# Altium PCB LAY-94611_B.PcbDoc (part 11 of 16)
Units mil, origin at the board's own origin, x right, y up, seen from the top; angles counter-clockwise.
Board outline 4133.86 x 2559.05 mil, 10 copper layers (TOP, GND02, ART03, PWR04, PWR05, ART06, GND7, ART08, GND09, BOTTOM), stack 57.82 mil thick; 1104 components, 727 nets, 3774 pads, 1630 vias.
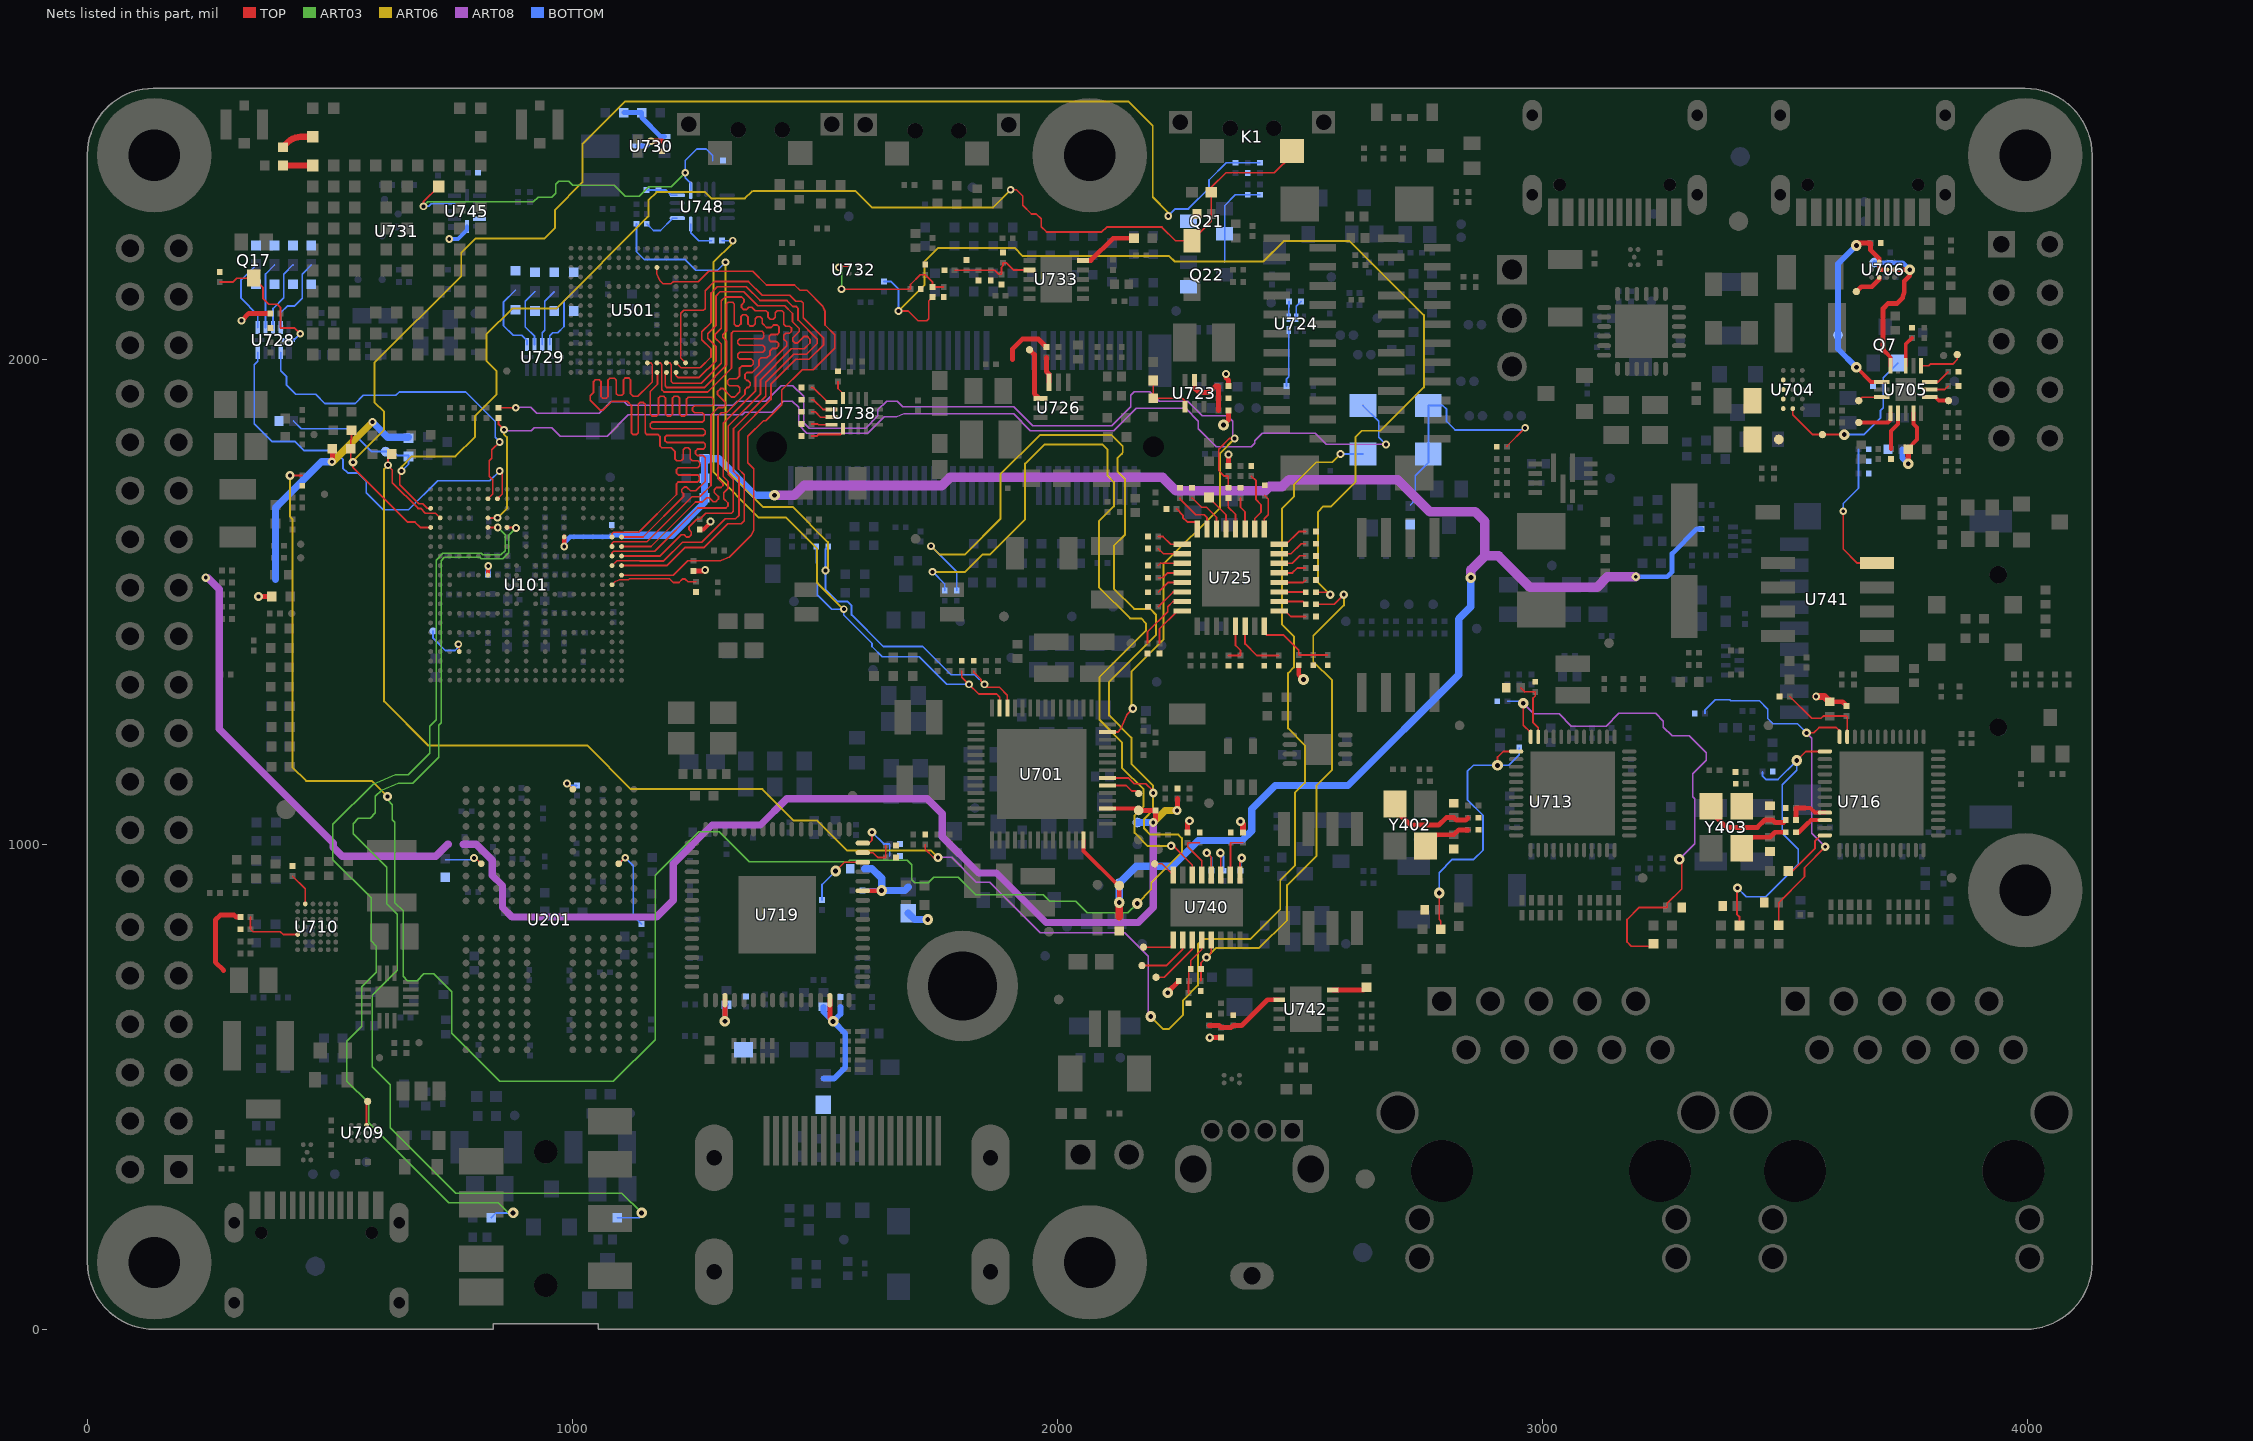
[diagram p19: the nets of this part, all layers, seen from the top]

## Via types
v1: diameter 16/16/0/0/0/0/16/0/16/16 (per signal layer), hole 8, TOP to BOTTOM, tented both sides, 177 vias
v2: diameter 22/22/0/0/0/0/22/0/22/22 (per signal layer), hole 10, TOP to BOTTOM, tented both sides, 156 vias
v3: diameter 16/0/16/0/0/0/0/0/0/16 (per signal layer), hole 8, TOP to BOTTOM, tented both sides, 137 vias
v4: diameter 16/0/0/0/0/16/0/0/0/16 (per signal layer), hole 8, TOP to BOTTOM, tented both sides, 94 vias
v5: diameter 16, hole 8, TOP to BOTTOM, tented both sides, 88 vias
v6: diameter 18/0/0/0/0/0/0/18/0/18 (per signal layer), hole 8, TOP to BOTTOM, tented both sides, 84 vias
v7: diameter 22, hole 10, TOP to BOTTOM, tented both sides, 83 vias
v8: diameter 18, hole 8.1, TOP to BOTTOM, tented both sides, 78 vias
v9: diameter 16/0/0/0/0/0/0/16/0/16 (per signal layer), hole 8, TOP to BOTTOM, tented both sides, 77 vias
v10: diameter 18/18/0/0/0/0/18/0/18/18 (per signal layer), hole 8, TOP to BOTTOM, tented both sides, 62 vias
v11: diameter 18/0/18/0/0/0/0/0/0/18 (per signal layer), hole 8, TOP to BOTTOM, tented both sides, 50 vias
v12: diameter 16/0/0/16/0/0/0/0/0/16 (per signal layer), hole 8, TOP to BOTTOM, tented both sides, 49 vias
v13: diameter 22/0/0/0/22/0/0/0/0/22 (per signal layer), hole 10, TOP to BOTTOM, tented both sides, 49 vias
v14: diameter 22/0/22/0/0/0/0/0/0/22 (per signal layer), hole 10, TOP to BOTTOM, tented both sides, 48 vias
v15: diameter 18, hole 8, TOP to BOTTOM, tented both sides, 47 vias
v16: diameter 16/0/0/0/16/0/0/0/0/16 (per signal layer), hole 8, TOP to BOTTOM, tented both sides, 40 vias
v17: diameter 22/0/0/22/0/0/0/0/0/22 (per signal layer), hole 10, TOP to BOTTOM, tented both sides, 40 vias
v18: diameter 22/0/0/0/0/0/0/22/0/22 (per signal layer), hole 10, TOP to BOTTOM, tented both sides, 31 vias
v19: diameter 22/0/0/0/0/22/0/0/0/22 (per signal layer), hole 10, TOP to BOTTOM, tented both sides, 30 vias
v20: diameter 18/0/0/0/0/18/0/0/0/18 (per signal layer), hole 8, TOP to BOTTOM, tented both sides, 27 vias
v21: diameter 16/16/16/0/0/0/0/0/0/16 (per signal layer), hole 8, TOP to BOTTOM, tented both sides, 24 vias
v22: diameter 16/0/16/0/0/16/0/0/0/16 (per signal layer), hole 8, TOP to BOTTOM, tented both sides, 14 vias
v23: diameter 22/22/0/22/0/0/22/0/22/22 (per signal layer), hole 10, TOP to BOTTOM, tented both sides, 14 vias
v24: diameter 16/16/16/0/0/0/16/0/16/16 (per signal layer), hole 8, TOP to BOTTOM, tented both sides, 11 vias
v25: diameter 18/0/0/0/0/18/0/18/0/18 (per signal layer), hole 8, TOP to BOTTOM, tented both sides, 11 vias
v26: diameter 18/0/0/18/0/0/0/0/0/18 (per signal layer), hole 8, TOP to BOTTOM, tented both sides, 11 vias
v27: diameter 18/0/0/0/18/0/0/0/0/18 (per signal layer), hole 8, TOP to BOTTOM, tented both sides, 10 vias
v28: diameter 16/0/16/0/0/0/0/16/0/16 (per signal layer), hole 8, TOP to BOTTOM, tented both sides, 8 vias
v29: diameter 16/16/0/16/0/0/16/0/16/16 (per signal layer), hole 8, TOP to BOTTOM, tented both sides, 8 vias
v30: diameter 18/18/0/18/0/0/18/0/18/18 (per signal layer), hole 8, TOP to BOTTOM, tented both sides, 6 vias
v31: diameter 22/0/0/0/22/22/0/0/0/22 (per signal layer), hole 10, TOP to BOTTOM, tented both sides, 6 vias
v32: diameter 16/0/16/16/0/0/0/0/0/16 (per signal layer), hole 8, TOP to BOTTOM, tented both sides, 5 vias
v33: diameter 18/18/0/18/18/0/18/0/18/18 (per signal layer), hole 8, TOP to BOTTOM, tented both sides, 5 vias
v34: diameter 16/0/0/0/0/16/0/16/0/16 (per signal layer), hole 8, TOP to BOTTOM, tented both sides, 4 vias
v35: diameter 22/0/22/22/0/0/0/0/0/22 (per signal layer), hole 10, TOP to BOTTOM, tented both sides, 4 vias
v36: diameter 16/0/16/16/0/16/0/0/0/16 (per signal layer), hole 8, TOP to BOTTOM, tented both sides, 3 vias
v37: diameter 22/22/0/0/22/0/22/0/22/22 (per signal layer), hole 10, TOP to BOTTOM, tented both sides, 3 vias
v38: diameter 22/0/0/22/22/22/0/0/0/22 (per signal layer), hole 10, TOP to BOTTOM, tented both sides, 3 vias
v39: diameter 22/0/22/0/0/22/0/0/0/22 (per signal layer), hole 10, TOP to BOTTOM, tented both sides, 3 vias
v40: diameter 22/0/22/0/0/0/0/22/0/22 (per signal layer), hole 10, TOP to BOTTOM, tented both sides, 3 vias
v41: diameter 16/0/16/0/16/0/0/0/0/16 (per signal layer), hole 8, TOP to BOTTOM, tented both sides, 3 vias
v42: diameter 22/22/0/22/22/0/22/0/22/22 (per signal layer), hole 10, TOP to BOTTOM, tented both sides, 2 vias
v43: diameter 18/0/18/0/0/0/0/18/0/18 (per signal layer), hole 8, TOP to BOTTOM, tented both sides, 2 vias
v44: diameter 22/0/0/22/0/22/0/0/0/22 (per signal layer), hole 10, TOP to BOTTOM, tented both sides, 2 vias
v45: diameter 22/0/0/0/0/22/0/22/0/22 (per signal layer), hole 10, TOP to BOTTOM, tented both sides, 2 vias
v46: diameter 22/0/22/0/22/0/0/0/0/22 (per signal layer), hole 10, TOP to BOTTOM, tented both sides, 2 vias
v47: diameter 22/0/0/22/22/0/0/0/0/22 (per signal layer), hole 10, TOP to BOTTOM, tented both sides, 2 vias
v48: diameter 16/0/0/16/0/16/0/0/0/16 (per signal layer), hole 8, TOP to BOTTOM, tented both sides, 1 vias
v49: diameter 18/0/18/0/0/18/0/0/0/18 (per signal layer), hole 8, TOP to BOTTOM, tented both sides, 1 vias
v50: diameter 18/18/0/0/18/0/18/0/18/18 (per signal layer), hole 8, TOP to BOTTOM, tented both sides, 1 vias
v51: diameter 16/16/0/16/16/0/16/0/16/16 (per signal layer), hole 8, TOP to BOTTOM, tented both sides, 1 vias
v52: diameter 18/0/18/0/18/0/0/0/0/18 (per signal layer), hole 8, TOP to BOTTOM, tented both sides, 1 vias
v53: diameter 18/0/0/0/18/18/0/0/0/18 (per signal layer), hole 8, TOP to BOTTOM, tented both sides, 1 vias
v54: diameter 22/0/22/0/22/22/0/22/0/22 (per signal layer), hole 10, TOP to BOTTOM, tented both sides, 1 vias
v55: diameter 22/0/0/0/22/22/0/22/0/22 (per signal layer), hole 10, TOP to BOTTOM, tented both sides, 1 vias
v56: diameter 16/16/16/0/0/0/16/0/0/16 (per signal layer), hole 8, TOP to BOTTOM, tented both sides, 1 vias
v57: diameter 22/0/0/22/0/0/0/22/0/22 (per signal layer), hole 10, TOP to BOTTOM, tented both sides, 1 vias
v58: diameter 16/0/0/0/16/16/0/0/0/16 (per signal layer), hole 8, TOP to BOTTOM, tented both sides, 1 vias
v59: diameter 16/0/0/16/16/0/0/0/0/16 (per signal layer), hole 8, TOP to BOTTOM, tented both sides, 1 vias

## Nets (pads, with @x,y where several pads share a name; then routed paths per layer and width w, separated by ;. In a path a pad name is that pad's centre, name@x,y a point inside that pad or via, vN(x,y) a via of type N, cw(c..) or ccw(c..) an arc to the next point about the centre after c; other vN are vias at no path point) (continued)
NetR2702_2: R2702.2 R2704.1 U716.45 | length 88.6
  TOP w8: 3542.35,1075 3552.8,1075 3562.17,1065.63 U716.45@3583.07,1065.63
  TOP w10: 3523.31,1050 3523.31,1075 3542.35,1075
NetR2703_2: R2703.2 U716.46 | length 70.1
  TOP w8: 3548.77,1044.47 3554.18,1049.88 U716.46@3583.07,1049.88
  TOP w10: 3523.31,1025 3529.3,1025 3548.77,1044.47
NetR2705_1: R2705.1 U716.48 | length 114.9
  TOP w3.62: R2705.1@3507.6,944.96 3515.76,944.96 3562.8,992 3562.8,1007.39 3573.8,1018.39 U716.48@3583.07,1018.39
NetR2707_2: R2707.2 R2709.1 Y403.4
NetR2725_1: R2725.1 R2996.1 U719.15 | length 76.4
  TOP w3.62: U719.15@1598.98,982.95 1619.86,982.95 1628.81,974 1629.29,974 1630.29,973 1646.29,973 1646.29,998
NetR2726_1: R2726.1 R2997.1 U719.16 | length 109.1
  TOP w3.62: U719.16@1598.98,1002.64 1611.8,1002.64 1617.8,1008.64 v15(1617.8,1025)
  BOTTOM w3.62: v15(1617.8,1025) 1641.8,1001 1654.29,1001 1654.29,976
NetR2734_1: R2734.1 R3039.2 R3041.2 U723.5 | length 186.8
  TOP w10: U723.5@2282.8,1957.56 2282.8,1941 2291.8,1932 2312.81,1932 2325.81,1945 2332.29,1945 2332.29,1920 2332.29,1895 ; v13(2342.8,1865) 2353.31,1875.51 R2734.1@2353.31,1895 ; v1(2347.8,1970) 2347.8,1962.2 2353.31,1956.69 R3041.2@2353.31,1945
NetR2735_2: R2735.2 R2736.1 U723.1 | length 116.6
  TOP w3.62: R2735.2@2197.84,1956.8 R2736.1@2197.84,1919.8 2258,1919.8 2263.11,1914.69 U723.1@2263.11,1902.44
NetR2738_1: R2738.1 U724.4 | length 33.9
  BOTTOM w3.62: U724.4@2477.21,2085.87 2477.21,2107.22 2477.8,2107.81 R2738.1@2477.8,2119.49
NetR2740_2: R2740.2 U724.3 | length 117.1
  BOTTOM w3.62: R2740.2@2472.8,1945.51 2472.8,1960 2477.21,1964.41 U724.3@2477.21,2060.75
NetR2745_1: R2745.1 U724.5 | length 37.7
  BOTTOM w3.62: U724.5@2492.96,2085.87 2492.96,2109.65 R2745.1@2502.8,2119.49
NetR2746_2: R2746.2 R2754.2 R2756.2 U725.32 | length 203
  TOP w3.62: U725.32@2426.7,1449.61 2426.7,1436.1 2430.8,1432 2466.31,1432 2497.8,1400.51 2497.8,1390.51 2527.8,1390.51 2557.8,1390.51
  TOP w10: R2746.2@2497.8,1369.49 2497.8,1350 v13(2507.8,1340)
NetR2748_1: R2748.1 U725.1 | length 58.7
  TOP w3.62: U725.1@2458.19,1481.1 2470.71,1481.1 2481.81,1470 2512.29,1470
NetR2749_1: R2749.1 U725.3 | length 54.3
  TOP w3.62: U725.3@2458.19,1520.47 2511.82,1520.47 2512.29,1520
NetR2750_1: R2750.1 U725.2 | length 56.5
  TOP w3.62: U725.2@2458.19,1500.79 2506.5,1500.79 2512.29,1495
NetR2751_1: R2751.1 U725.4 | length 56.1
  TOP w3.62: U725.4@2458.19,1540.16 2507.45,1540.16 2512.29,1545
NetR2752_1: R2752.1 U725.6 | length 60.5
  TOP w3.62: U725.6@2458.19,1579.53 2484.54,1579.53 2500.01,1595 2512.29,1595
NetR2755_1: R2755.1 U725.7 | length 62.7
  TOP w3.62: U725.7@2458.19,1599.21 2482.02,1599.21 2502.81,1620 2512.29,1620
NetR2757_1: R2757.1 U725.9 | length 75.5
  TOP w3.62: U725.9@2426.7,1650.39 2426.7,1671.7 2435,1680 2435,1712.29 2427.8,1719.49
NetR2759_1: R2759.1 U725.11 | length 68
  TOP w3.62: 2377.8,1714.49 2377.8,1695.01 2387.33,1685.48 U725.11@2387.33,1650.39
NetR2760_1: R2760.1 U725.12 | length 70.2
  TOP w3.62: 2352.8,1714.49 2352.8,1695.01 2367.64,1680.17 U725.12@2367.64,1650.39
NetR2761_2: R2761.2 R2769.2 U725.30 | length 115.5
  TOP w3.62: U725.30@2387.33,1449.61 2387.33,1413.47 2411.29,1389.51 2426.8,1389.51 2456.8,1389.51
NetR2762_1: R2762.1 U725.14 | length 91.2
  TOP w3.62: 2277.8,1714.49 2297.29,1695 2307.8,1695 2328.27,1674.53 U725.14@2328.27,1650.39
NetR2763_2: R2763.2 R2767.2 U725.29 | length 89.3
  TOP w3.62: 2352.8,1389.51 2377.8,1389.51 2377.8,1399.99 2367.64,1410.15 U725.29@2367.64,1449.61
NetR2764_1: R2764.1 U725.13 | length 79.4
  TOP w3.62: R2764.1@2312.76,1715.2 2347.96,1680 U725.13@2347.96,1650.39
NetR2766_1: R2766.1 U725.16 | length 67.9
  TOP w3.62: 2245.97,1691.76 2259.05,1678.68 2259.05,1673.76 2267.81,1665 2282.8,1665 2288.9,1658.9 U725.16@2288.9,1650.39
NetR2770_1: R2770.1 U725.17 | length 55.8
  TOP w3.62: 2208.31,1635 2217.79,1635 2233.89,1618.9 U725.17@2257.41,1618.9
NetR2771_1: R2771.1 U725.18 | length 53.6
  TOP w3.62: 2208.31,1610 2219.1,1599.21 U725.18@2257.41,1599.21
NetR2772_1: R2772.1 U725.19 | length 51
  TOP w3.62: 2208.31,1575 2212.84,1579.53 U725.19@2257.41,1579.53
NetR2773_1: R2773.1 U725.21 | length 57.5
  TOP w3.62: 2208.31,1520 2228.47,1540.16 U725.21@2257.41,1540.16
NetR2774_1: R2774.1 U725.20 | length 53.2
  TOP w3.62: 2208.31,1550 2217.79,1550 2227.63,1559.84 U725.20@2257.41,1559.84
NetR2775_1: R2775.1 U725.24 | length 91.8
  TOP w3.62: 2210.8,1414.51 2210.8,1444.51 2247.39,1481.1 U725.24@2257.41,1481.1
NetR2786_2: R2786.2 U726.6 | length 160.7
  TOP w10: 1907.8,2000 1907.8,2022 1927.8,2042 1961.31,2042 R2786.2@1977.8,2025.51 ; 1977.8,2004.49 1977.8,1975.01 1983.11,1969.7 U726.6@1983.11,1953.15
NetR2788_1: R2788.1 R2796.1 U728.10 | length 164.1
  BOTTOM w3.62: U728.10@398.55,2065.79 398.55,2096.75 411.8,2110 426.8,2110 442.8,2126 442.8,2176 461.6,2194.8 461.76,2194.8
NetR2789_1: R2789.1 R2797.1 U729.10 | length 135.4
  BOTTOM w3.62: U729.10@953.55,2030.79 953.55,2049 959.55,2055 969.8,2055 982.8,2068 982.8,2119.84 1002.76,2139.8
NetR2790_1: R2790.1 R2799.1 U729.9 | length 119.3
  BOTTOM w3.62: U729.9@937.8,2030.79 937.8,2055 942.8,2060 942.8,2119.84 962.76,2139.8
NetR2791_1: R2791.1 R2798.1 U728.9 | length 146
  BOTTOM w3.62: U728.9@382.8,2065.79 382.8,2105 404.8,2127 404.8,2175.84 423.76,2194.8
NetR2792_1: R2792.1 R2800.1 U728.8 | length 136.8
  BOTTOM w3.62: U728.8@367.05,2065.79 367.05,2176.09 385.76,2194.8
NetR2793_1: R2793.1 R2801.1 U729.8 | length 125.3
  BOTTOM w3.62: U729.8@922.05,2030.79 922.05,2047.75 902.8,2067 902.8,2119.84 922.76,2139.8
NetR2794_1: R2794.1 R2802.1 U728.7 | length 156.1
  BOTTOM w3.62: 347.76,2194.8 316.8,2163.84 316.8,2126 351.3,2091.5 U728.7@351.3,2065.79
NetR2795_1: R2795.1 R2805.1 U729.7 | length 153
  BOTTOM w3.62: 882.76,2142.8 857.8,2117.84 857.8,2070 877.8,2050 895.8,2050 906.3,2039.5 U729.7@906.3,2030.79
NetR2874_1: R2874.1 U730.5 | length 54.6
  TOP w10: v5(1162.3,2450) 1162.81,2450.51 1185,2450.51
  BOTTOM w10: U730.5@1134.74,2440 1152.3,2440 v5(1162.3,2450)
NetR2875_2: R2875.2 R2876.1 U730.1 | length 110.1
  BOTTOM w10: R2875.2@1106,2508.96 R2876.1@1143,2508.96 1143,2499 1182.31,2459.69 U730.1@1189.86,2459.69
NetR2877_1: R2877.1 R2878.2 U731.K9 | length 61.3
  TOP w13: R2877.1@403.34,2399.92 403.38,2399.96 464.53,2399.96 U731.K9@464.57,2399.92
NetR2878_1: R2878.1 U731.L9 | length 68.3
  TOP w13: R2878.1@403.34,2437.92 413.36,2447.94 cw(c440.01,2421.29) 440.01,2458.98 U731.L9@464.57,2458.98
NetR2885_1: R2885.1 R2887.2 R2888.2 R3016.2 U732.B2 | length 315.2
  TOP w3.62: v3(1550,2190) 1555,2190 1557.87,2192.87 U732.B2@1572.13,2192.87 ; v3(1555,2145) 1697.29,2145 1697.29,2154.48 1717.3,2174.49 1727.8,2174.49 1742.8,2159.49 1742.8,2149.51 1765.8,2149.51
  ART03 w3.09: v3(1550,2190) 1555,2185 v3(1555,2145)
NetR2889_1: R2889.1 R2891.2 R2892.2 R2893.2 R2894.2 R3056.1 U733.7 | length 186.2
  TOP w3.62: 1788.31,2184 1812.8,2184 1837.79,2184 1862.8,2184.01 1870.98,2184.01 1879.48,2175.51 1885,2175.51 1885,2190.01 1888,2193.01 1888,2199.49 1894.51,2199.49 1909.31,2184.69 U733.7@1942.68,2184.69
NetR2890_1: R2890.1 U733.5 | length 124
  TOP w10: U733.5@2052.92,2204.37 2069.36,2204.37 2115.03,2250.04 R2890.1@2158,2250.04
NetR2918_2: R2918.2 U738.4 | length 38.3
  TOP w3.62: 1547.8,1954.49 1547.8,1940.01 1558.12,1929.69 U738.4@1558.12,1920.43
NetR2919_1: R2919.1 U738.5 | length 53.4
  TOP w3.62: 1493.31,1942 1496.79,1942 1526.23,1912.56 U738.5@1534.49,1912.56
NetR2928_2: R2928.2 R2931.2 R2932.1 U741.8 | length 300.6
  TOP w3.62: v5(3620.8,1687) 3620.8,1609.2 3650,1580 U741.8@3690.43,1580
  BOTTOM w3.62: v5(3620.8,1687) 3620.8,1703 3652.29,1734.49 3652.29,1765 3652.29,1790 3652.29,1815
NetR2936_2: R2936.2 U710.A2 | length 68.2
  TOP w3.62: 422.8,934.49 449.18,908.11 U710.A2@449.18,877.24
NetR2937_2: R2937.2 R2938.2 U710.E1 | length 294.9
  TOP w3.62: 336.31,850 336.31,825 341.31,820 397.79,820 403.54,814.25 U710.E1@433.43,814.25
  TOP w10: 280.8,740 263.8,757 263.8,844 273.8,854 302.8,854 306.8,850 R2937.2@315.29,850
NetR2941_2: R2941.2 U201.A8 | length 39
  TOP w3.62: v5(989.01,1125.73) U201.A8@1001.04,1113.7
  BOTTOM w3.62: v5(989.01,1125.73) 993.15,1121.59 R2941.2@1009.27,1121.59
NetR2942_2: R2942.2 U201.G11 | length 169.5
  TOP w3.62: U201.G11@1095.53,960.16 1107.81,972.44 v5(1109.09,972.44)
  BOTTOM w3.62: v5(1109.09,972.44) 1125.3,956.23 1125.3,853.01 R2942.2@1142.8,835.51
NetR2943_1: R2943.1 R2947.2 R3002.1 U746.2 U747.2 | length 512
  TOP w3.62: 2927.31,1820 2927.31,1821.51 v5(2964.8,1859)
  BOTTOM w3.62: 2727.76,1699.8 2738.31,1710.35 2738.31,1735 2738.31,1760 2765.3,1786.99 U747.2@2765.3,1805 U746.2@2765.3,1905 2794.8,1905 2802.8,1897 2802.8,1872 2820.06,1854.74 2960.54,1854.74 v5(2964.8,1859)
NetR2965_1: R2965.1 R2967.2 R2970.1 U742.7 | length 193.7
  TOP w10: 2312.8,626.49 2333.82,626.49 2337.8,622.51 2358.82,622.51 2362.8,626.49 2380.29,626.49 2433.49,679.69 U742.7@2457.68,679.69 ; v10(2314.31,601.49) R2965.1@2337.8,601.49
NetR2966_1: R2966.1 U742.5 | length 72.3
  TOP w10: U742.5@2567.92,699.37 2631.93,699.37 R2966.1@2637.76,705.2
NetR2972_2: R2972.2 U738.6 | length 49.5
  TOP w3.62: 1493.31,1917 1496.79,1917 1516.98,1896.81 U738.6@1534.49,1896.81
NetR2973_2: R2973.2 U738.7 | length 45.7
  TOP w3.62: 1493.31,1892 1500.79,1892 1511.73,1881.06 U738.7@1534.49,1881.06
NetR2974_2: R2974.2 U738.8 | length 41.9
  TOP w3.62: 1493.31,1867 1505.79,1867 1507.48,1865.31 U738.8@1534.49,1865.31
NetR2975_2: R2975.2 U738.9 | length 75
  TOP w3.62: 1493.31,1842 1503.79,1842 1506.79,1845 1552.12,1845 1558.12,1851 U738.9@1558.12,1857.44
NetR2979_2: R2979.2 U740.1 | length 64.1
  TOP w3.62: U740.1@2376.7,936.93 2376.7,968.4 v15(2380.3,972)
  BOTTOM w3.62: R2979.2@2377.8,945.51 2377.8,969.5 v15(2380.3,972)
NetR2980_2: R2980.2 U740.3 | length 85.2
  TOP w3.62: v15(2336.33,982) 2337.33,981 U740.3@2337.33,936.93
  BOTTOM w3.62: v15(2336.33,982) 2337.33,982 2342.8,976.53 R2980.2@2342.8,945.51
NetR2981_2: R2981.2 U740.4 | length 90.4
  TOP w3.62: v15(2308.3,982.5) 2317.64,973.16 U740.4@2317.64,936.93
  BOTTOM w3.62: v15(2308.3,982.5) 2317.8,973 R2981.2@2317.8,945.51
NetR2984_2: R2984.2 R2985.1 R2987.1 U740.12 | length 154.1
  TOP w3.62: 2270.8,693.51 2270.8,717.49 2271.31,718 2271.31,739.02 2275.29,743 2275.29,760.48 2297.96,783.15 U740.12@2297.96,803.07
  TOP w10: v46(2227.8,694) 2227.8,695.51 R2985.1@2250.29,718
NetR3005_1: R3005.1 U725.8 | length 64.9
  TOP w3.62: U725.8@2458.19,1618.9 2471.71,1618.9 2497.81,1645 2512.29,1645
NetR3015_1: R3015.1 U745.12 | length 51.8
  BOTTOM w8: v1(746.07,2248.34) 764.14,2248.34 782.8,2267 U745.12@782.8,2274.31
NetR3023_2: R3023.2 U748.13 | length 79.4
  BOTTOM w3.62: 1153.31,2280 1167.31,2266 1181.8,2266 1207.18,2291.38 U748.13@1216.37,2291.38
NetR3024_2: R3024.2 U748.12 | length 67.7
  BOTTOM w3.62: U748.12@1244.18,2279.31 1244.18,2261.62 1260.8,2245 1287.29,2245
NetR3025_2: R3025.2 R3026.2 U748.16 | length 68.1
  BOTTOM w3.62: R3026.2@1152.8,2349.49 R3025.2@1177.8,2349.49 1193.31,2349.49 1204.18,2338.62 U748.16@1216.37,2338.62
NetR3032_1: R3032.1 U725.22 | length 61.7
  TOP w3.62: 2208.31,1490 2238.78,1520.47 U725.22@2257.41,1520.47
NetR3040_1: R3040.1 U725.15 | length 97.2
  TOP w3.62: 2252.8,1714.49 2252.8,1713.01 2285.81,1680 2302.8,1680 2308.59,1674.21 U725.15@2308.59,1650.39
NetR3044_1: R3044.1 U725.23 | length 127
  TOP w3.62: 2185.8,1414.51 2185.8,1438 2227.8,1480 2227.8,1490 2238.59,1500.79 U725.23@2257.41,1500.79
NetR3053_1: R3053.1 U725.5 | length 58.3
  TOP w3.62: U725.5@2458.19,1559.84 2484.85,1559.84 2495.01,1570 2512.29,1570
NetR3054_1: R3054.1 U725.10 | length 122.8
  TOP w3.62: 2400,1759.49 2410,1749.49 2410,1710.5 2420,1700.5 2420,1685 2407.01,1672.01 U725.10@2407.01,1650.39
NetTP202_1: TP202.1 U101.D4 | length 102.1
  TOP w3.2: v5(764.88,1412.7) 766.8,1410.78 U101.D4@766.8,1397.69
  BOTTOM w3.62: TP202.1@712.8,1440 712.8,1425 737.91,1399.89 758.06,1399.89 764.88,1406.71 v5(764.88,1412.7)
NetTP714_1: TP714.1 U701.6 | length 71
  TOP w3.62: U701.6@2103.63,1121.38 2142.42,1121.38 2153.8,1110 2162.8,1110 TP714.1@2167.8,1105
NetTP927_1: TP927.1 U706.C3 | length 61.7
  TOP w10: TP927.1@3647.8,2140 3657.8,2150 3679.93,2150 3694.93,2165 U706.C3@3694.93,2169.25
NetTP928_1: TP928.1 U709.C3 | length 50.1
  TOP w3.62: U709.C3@575.67,420.75 575.67,467.87 TP928.1@577.8,470
NetTP934_1: TP934.1 U726.7 | length 111.2
  TOP w10: TP934.1@1942.8,2020 1952.8,2010 1952.8,1929.69 1962.8,1919.69 U726.7@1965.4,1919.69
NetTP1015_1: TP1015.1 U740.8 | length 47.7
  TOP w3.62: TP1015.1@2200.8,960 2215.83,960 U740.8@2238.9,936.93
NetTP1016_1: TP1016.1 U740.9 | length 72.7
  TOP w3.62: TP1016.1@2177.8,788 2232.9,788 2238.9,794 U740.9@2238.9,803.07
NetTP1017_1: TP1017.1 U740.10 | length 117.1
  TOP w3.62: TP1017.1@2174.8,750 2224.8,750 2258.59,783.79 U740.10@2258.59,803.07
NetTP1018_1: TP1018.1 U740.11 | length 117.9
  TOP w3.62: TP1018.1@2203.8,726 2220.81,726 2278.27,783.46 U740.11@2278.27,803.07
NVCC_BBSM_1V8: C101.1 C727.1 R401.1 R404.1 R405.1 R703.1 TP709.1 TP1092.1 U101.G12 U701.3 | length 3762.1
  TOP w8: U101.G12@825.86,1555.18 825.86,1573.63 v12(826.46,1574.23) ; U701.3@2103.63,1074.13 2163.67,1074.13 TP709.1@2167.8,1070
  TOP w10: v26(352.8,1511.04) R404.1@380,1511.04 ; v20(504,1789) 505,1790 R401.1@505,1816.04 ; TP709.1@2167.8,1070 C727.1@2202.29,1070 2202.29,1049.49 v25(2197.8,1045) ; v20(2246.8,1070) 2247.8,1071 2247.8,1094.49
  ART06 w15: v20(504,1789) 505.76,1789 v4(587.76,1871) ; v25(2197.8,1045) 2222.8,1070 v20(2246.8,1070)
  ART08 w15: v6(244,1550) 247.8,1550 271.8,1526 271.8,1238 506.8,1003 506.8,994 525.3,975.5 718.3,975.5 742.8,1000 743.88,1000 ; 774.96,1000 801.8,1000 834.8,967 834.8,936 855.8,915 855.8,870 875.8,850 1172.8,850 1207.8,885 1207.8,960 1287.8,1040 1387.8,1040 1441.8,1094 1732,1094 1762.8,1063.2 1762.8,1015.5 1837.3,941 1874.8,941 1976.8,839 2166.8,839 2197.8,870 v25(2197.8,1045)
  BOTTOM w10: C101.1@825.92,1556.81 825.92,1573.69 v12(826.46,1574.23)
  BOTTOM w15: 387.8,1546.04 387.8,1694 482.8,1789 v20(504,1789) ; v4(587.76,1871) 618.96,1839.8 661.96,1839.8 ; TP1092.1@2165,1045 v25(2197.8,1045)
NVCC_SD: C129.1 C731.1 R310.1 R311.1 R312.1 R2897.1 TP713.1 TP1095.1 U101.R16 U701.55 | length 4172
  TOP w8: U701.55@2054.41,1009.17 2054.41,986.39 2125.8,915 TP713.1@2127.8,915
  TOP w10: v5(983.34,1614.32) U101.R16@983.34,1633.92 ; v7(2127.8,880) TP713.1@2127.8,915
  TOP w15: 2127.8,850.76 v7(2127.8,880)
  ART08 w20: v18(1416.8,1720) 1457.8,1720 1477.8,1740 1761.8,1740 1778.8,1757 2216.8,1757 2244.8,1729 2428.8,1729 2437.8,1738 2463.8,1738 2477.95,1752.15 2701.65,1752.15 2767.8,1686 2861.8,1686 2881.8,1666 2881.8,1595 ; v18(2852.8,1550) 2852.8,1566 2881.8,1595 ; v6(3192.8,1552) 3134.8,1552 3112.8,1530 2975,1530 2910,1595 2881.8,1595

## Text inside footprints (layer, text, board x,y; h text height)
U710: Top Overlay "6" at 507.46,902.33 h20; Top Overlay "1" at 431.8,901.33 h20; Top Overlay "G" at 391.8,772 h20; Top Overlay "A" at 390.8,871 h20; Top Pin Number "D6" at 505.88,826.88 h8; Top Pin Number "C6" at 505.99,842.62 h8; Top Pin Number "E6" at 505.78,811.12 h8; Top Pin Number "F6" at 505.72,795.38 h8; Top Pin Number "G6" at 505.93,779.63 h8; Top Pin Number "A5" at 490.28,874.12 h8; Top Pin Number "A3" at 458.79,874.12 h8; Top Pin Number "A6" at 505.99,874.12 h8; Top Pin Number "A2" at 443.04,874.12 h8; Top Pin Number "E1" at 426.66,811.12 h8; Top Pin Number "F1" at 426.6,795.38 h8; Top Pin Number "B1" at 426.76,858.38 h8; Top Pin Number "C1" at 426.86,842.62 h8; Top Pin Number "D1" at 426.76,826.88 h8; Top Pin Number "D5" at 490.18,826.88 h8; Top Pin Number "D4" at 474.48,826.88 h8; Top Pin Number "C5" at 490.28,842.62 h8; Top Pin Number "C4" at 474.58,842.62 h8; Top Pin Number "E4" at 474.37,811.12 h8; Top Pin Number "E5" at 490.07,811.12 h8; Top Pin Number "F4" at 474.32,795.38 h8; Top Pin Number "F5" at 490.02,795.38 h8; Top Pin Number "G4" at 474.53,779.63 h8; Top Pin Number "G5" at 490.23,779.63 h8; Top Pin Number "C2" at 443.04,842.62 h8; Top Pin Number "C3" at 458.79,842.62 h8; Top Pin Number "B6" at 505.88,858.38 h8; Top Pin Number "B3" at 458.69,858.38 h8; Top Pin Number "B2" at 442.94,858.38 h8; Top Pin Number "A4" at 474.58,874.12 h8; Top Pin Number "B4" at 474.48,858.38 h8; Top Pin Number "B5" at 490.18,858.38 h8; Top Pin Number "G1" at 426.81,779.63 h8; Top Pin Number "D3" at 458.69,826.88 h8; Top Pin Number "D2" at 442.94,826.88 h8; Top Pin Number "F3" at 458.53,795.38 h8; Top Pin Number "E3" at 458.58,811.12 h8; Top Pin Number "F2" at 442.78,795.38 h8; Top Pin Number "E2" at 442.83,811.12 h8; Top Pin Number "G3" at 458.74,779.63 h8; Top Pin Number "G2" at 442.99,779.63 h8; Top Pin Number "A1" at 426.86,874.12 h8; Top Assembly "6" at 512.17,900.87 h15; Top Assembly "1" at 425.56,900.87 h15; Top Assembly "G" at 394.06,774.88 h15; Top Assembly "A" at 394.06,877.24 h15
U711: Top Overlay "A" at 482.3,354.71 h15 r270; Top Overlay "C" at 481.3,389.36 h15 r270; Top Overlay "1" at 456.3,327.79 h15 r270; Top Pin Number "A1" at 464.51,353.22 h8 r180; Top Pin Number "A2" at 446.2,353.22 h8 r180; Top Pin Number "C2" at 446.2,384.72 h8 r180; Top Pin Number "C1" at 464.51,384.72 h8 r180; Top Pin Number "B1" at 457.27,368.97 h8 r180; Top Assembly "1" at 465.59,332.5 h15 r180; Top Assembly "A" at 489.76,355.23 h15 r180; Top Assembly "C" at 489.91,388.62 h15 r180
U712: Top Overlay "1" at 514.8,719.8 h30; Top Pin Number "6" at 607.17,634.64 h10 r90; Top Pin Number "16" at 606.17,727.06 h10 r90; Top Pin Number "4" at 564.59,665.25 h10; Top Pin Number "13" at 661.01,712.5 h10; Top Pin Number "10" at 661.01,665.25 h10; Top Pin Number "14" at 637.67,727.06 h10 r90; Top Pin Number "12" at 661.01,696.75 h10; Top Pin Number "8" at 638.67,634.64 h10 r90; Top Pin Number "7" at 622.92,634.64 h10 r90; Top Pin Number "5" at 564.59,649.5 h10; Top Pin Number "15" at 621.92,727.06 h10 r90; Top Pin Number "17" at 610.8,682 h10; Top Pin Number "3" at 564.59,681 h10; Top Pin Number "1" at 564.59,712.5 h10; Top Pin Number "9" at 662.8,650 h10; Top Pin Number "11" at 661.01,681 h10; Top Pin Number "2" at 564.59,696.75 h10; Top Assembly "13" at 688.67,724.37 h15; Top Assembly "9" at 696.54,629.88 h15; Top Assembly "5" at 531.19,629.88 h15; Top Assembly "1" at 531.19,716.5 h15
U713: Top Pin Number "13" at 3167.64,1010.86 h15; Top Pin Number "34" at 3015.32,1209.66 h15 r90; Top Pin Number "45" at 2934.18,1058.1 h15; Top Pin Number "46" at 2934.18,1042.35 h15; Top Pin Number "11" at 3136.56,980.95 h15 r90; Top Pin Number "10" at 3124.02,977.74 h15 r90; Top Pin Number "8" at 3095.02,983.24 h15 r90; Top Pin Number "7" at 3079.27,983.24 h15 r90; Top Pin Number "6" at 3063.18,983.59 h15 r90; Top Pin Number "5" at 3047.78,983.24 h15 r90; Top Pin Number "3" at 3016.28,983.24 h15 r90; Top Pin Number "2" at 3000.53,983.24 h15 r90; Top Pin Number "49" at 3050.91,1097.47 h15; Top Pin Number "15" at 3167.64,1042.35 h15; Top Pin Number "16" at 3167.64,1058.1 h15; Top Pin Number "24" at 3167.64,1184.08 h15; Top Pin Number "32" at 3046.46,1210.02 h15 r90; Top Pin Number "14" at 3167.64,1026.6 h15; Top Pin Number "19" at 3167.64,1105.34 h15; Top Pin Number "28" at 3109.45,1210.02 h15 r90; Top Pin Number "48" at 2934.18,1010.86 h15; Top Pin Number "35" at 2999.21,1210.02 h15 r90; Top Pin Number "37" at 2934.18,1184.08 h15; Top Pin Number "36" at 2983.11,1210.38 h15 r90; Top Pin Number "22" at 3167.64,1152.59 h15; Top Pin Number "27" at 3125.2,1210.02 h15 r90; Top Pin Number "25" at 3156.69,1210.02 h15 r90; Top Pin Number "21" at 3167.64,1136.84 h15; Top Pin Number "26" at 3140.59,1210.38 h15 r90; Top Pin Number "4" at 3032.39,982.88 h15 r90; Top Pin Number "9" at 3110.42,983.59 h15 r90; Top Pin Number "47" at 2934.18,1026.6 h15; Top Pin Number "18" at 3167.64,1089.6 h15; Top Pin Number "29" at 3093.34,1210.38 h15 r90; Top Pin Number "23" at 3167.64,1168.34 h15; Top Pin Number "1" at 2981.58,986.45 h15 r90; Top Pin Number "12" at 3155.51,977.74 h15 r90; Top Pin Number "20" at 3167.64,1121.09 h15; Top Pin Number "31" at 3059,1213.23 h15 r90; Top Pin Number "30" at 3077.95,1210.02 h15 r90; Top Pin Number "17" at 3167.64,1073.85 h15; Top Pin Number "43" at 2934.18,1089.6 h15; Top Pin Number "33" at 3030.71,1210.02 h15 r90; Top Pin Number "42" at 2934.18,1105.34 h15; Top Pin Number "40" at 2934.18,1136.84 h15; Top Pin Number "41" at 2934.18,1121.09 h15; Top Pin Number "38" at 2934.18,1168.34 h15; Top Pin Number "39" at 2934.18,1152.59 h15; Top Pin Number "44" at 2934.18,1073.85 h15
U714: Top Pin Number "8" at 2994.47,879.49 h10; Top Pin Number "3" at 2994.47,849.17 h10; Top Pin Number "10" at 2951.43,879.49 h10; Top Pin Number "1" at 2957.24,849.17 h10; Top Pin Number "9" at 2975.02,879.49 h10; Top Pin Number "2" at 2974.78,849.17 h10; Top Pin Number "7" at 3014.15,879.49 h10; Top Pin Number "4" at 3013.91,849.17 h10; Top Pin Number "6" at 3034.08,879.49 h10; Top Pin Number "5" at 3033.84,849.17 h10
U715: Top Pin Number "8" at 3114.47,879.49 h10; Top Pin Number "3" at 3114.47,849.17 h10; Top Pin Number "10" at 3071.43,879.49 h10; Top Pin Number "1" at 3077.24,849.17 h10; Top Pin Number "9" at 3095.02,879.49 h10; Top Pin Number "2" at 3094.78,849.17 h10; Top Pin Number "7" at 3134.15,879.49 h10; Top Pin Number "4" at 3133.91,849.17 h10; Top Pin Number "6" at 3154.08,879.49 h10; Top Pin Number "5" at 3153.84,849.17 h10
U716: Top Pin Number "44" at 3571.18,1073.85 h15; Top Pin Number "39" at 3571.18,1152.59 h15; Top Pin Number "38" at 3571.18,1168.34 h15; Top Pin Number "41" at 3571.18,1121.09 h15; Top Pin Number "40" at 3571.18,1136.84 h15; Top Pin Number "42" at 3571.18,1105.34 h15; Top Pin Number "33" at 3667.71,1210.02 h15 r90; Top Pin Number "43" at 3571.18,1089.6 h15; Top Pin Number "17" at 3804.64,1073.85 h15; Top Pin Number "30" at 3714.95,1210.02 h15 r90; Top Pin Number "31" at 3696,1213.23 h15 r90; Top Pin Number "20" at 3804.64,1121.09 h15; Top Pin Number "12" at 3792.51,977.74 h15 r90; Top Pin Number "1" at 3618.58,986.45 h15 r90; Top Pin Number "23" at 3804.64,1168.34 h15; Top Pin Number "29" at 3730.34,1210.38 h15 r90; Top Pin Number "18" at 3804.64,1089.6 h15; Top Pin Number "47" at 3571.18,1026.6 h15; Top Pin Number "9" at 3747.42,983.59 h15 r90; Top Pin Number "4" at 3669.39,982.88 h15 r90; Top Pin Number "26" at 3777.59,1210.38 h15 r90; Top Pin Number "21" at 3804.64,1136.84 h15; Top Pin Number "25" at 3793.69,1210.02 h15 r90; Top Pin Number "27" at 3762.2,1210.02 h15 r90; Top Pin Number "22" at 3804.64,1152.59 h15; Top Pin Number "36" at 3620.11,1210.38 h15 r90; Top Pin Number "37" at 3571.18,1184.08 h15; Top Pin Number "35" at 3636.21,1210.02 h15 r90; Top Pin Number "48" at 3571.18,1010.86 h15; Top Pin Number "28" at 3746.45,1210.02 h15 r90; Top Pin Number "19" at 3804.64,1105.34 h15; Top Pin Number "14" at 3804.64,1026.6 h15; Top Pin Number "32" at 3683.46,1210.02 h15 r90; Top Pin Number "24" at 3804.64,1184.08 h15; Top Pin Number "16" at 3804.64,1058.1 h15; Top Pin Number "15" at 3804.64,1042.35 h15; Top Pin Number "49" at 3687.91,1097.47 h15; Top Pin Number "2" at 3637.53,983.24 h15 r90; Top Pin Number "3" at 3653.28,983.24 h15 r90; Top Pin Number "5" at 3684.78,983.24 h15 r90; Top Pin Number "6" at 3700.18,983.59 h15 r90; Top Pin Number "7" at 3716.27,983.24 h15 r90; Top Pin Number "8" at 3732.02,983.24 h15 r90; Top Pin Number "10" at 3761.02,977.74 h15 r90; Top Pin Number "11" at 3773.56,980.95 h15 r90; Top Pin Number "46" at 3571.18,1042.35 h15; Top Pin Number "45" at 3571.18,1058.1 h15; Top Pin Number "34" at 3652.32,1209.66 h15 r90; Top Pin Number "13" at 3804.64,1010.86 h15
U717: Top Pin Number "8" at 3631.47,870.83 h10; Top Pin Number "3" at 3631.47,840.51 h10; Top Pin Number "10" at 3588.43,870.83 h10; Top Pin Number "1" at 3594.24,840.51 h10; Top Pin Number "9" at 3612.02,870.83 h10; Top Pin Number "2" at 3611.78,840.51 h10; Top Pin Number "7" at 3651.15,870.83 h10; Top Pin Number "4" at 3650.91,840.51 h10; Top Pin Number "6" at 3671.08,870.83 h10; Top Pin Number "5" at 3670.84,840.51 h10
U718: Top Pin Number "5" at 3790.84,840.51 h10; Top Pin Number "6" at 3791.08,870.83 h10; Top Pin Number "4" at 3770.91,840.51 h10; Top Pin Number "7" at 3771.15,870.83 h10; Top Pin Number "2" at 3731.78,840.51 h10; Top Pin Number "9" at 3732.02,870.83 h10; Top Pin Number "1" at 3714.24,840.51 h10; Top Pin Number "10" at 3708.43,870.83 h10; Top Pin Number "3" at 3751.47,840.51 h10; Top Pin Number "8" at 3751.47,870.83 h10
U719: Top Pin Number "9" at 1603.12,870.98 h15 r180; Top Pin Number "8" at 1603.48,851.66 h15 r180; Top Pin Number "7" at 1603.48,831.97 h15 r180; Top Pin Number "6" at 1603.12,811.93 h15 r180; Top Pin Number "37" at 1258.8,931.07 h15 r180; Top Pin Number "39" at 1258.44,891.35 h15 r180; Top Pin Number "42" at 1258.8,832.64 h15 r180; Top Pin Number "45" at 1258.8,773.59 h15 r180; Top Pin Number "30" at 1322.53,1019.18 h15 r90; Top Pin Number "47" at 1258.8,734.22 h15 r180; Top Pin Number "38" at 1258.8,911.38 h15 r180; Top Pin Number "40" at 1258.8,872.01 h15 r180; Top Pin Number "43" at 1258.8,812.96 h15 r180; Top Pin Number "46" at 1258.44,753.55 h15 r180; Top Pin Number "31" at 1302.85,1019.18 h15 r90; Top Pin Number "48" at 1258.8,714.53 h15 r180; Top Pin Number "13" at 1608.98,955.58 h15 r180; Top Pin Number "12" at 1608.98,935.9 h15 r180; Top Pin Number "33" at 1258.8,1009.81 h15 r180; Top Pin Number "34" at 1259.15,990.48 h15 r180; Top Pin Number "32" at 1283.16,1019.18 h15 r90; Top Pin Number "17" at 1578.44,1019.18 h15 r90; Top Pin Number "36" at 1258.44,950.4 h15 r180; Top Pin Number "27" at 1381.59,1019.18 h15 r90; Top Pin Number "44" at 1259.15,793.63 h15 r180; Top Pin Number "41" at 1255.58,849.12 h15 r180; Top Pin Number "22" at 1480.01,1019.18 h15 r90; Top Pin Number "50" at 1302.85,666.82 h15 r90; Top Pin Number "62" at 1539.07,666.82 h15 r90; Top Pin Number "51" at 1322.53,666.82 h15 r90; Top Pin Number "49" at 1283.16,666.82 h15 r90; Top Pin Number "64" at 1578.44,666.82 h15 r90; Top Pin Number "10" at 1608.98,896.53 h15 r180; Top Pin Number "35" at 1258.8,970.44 h15 r180; Top Pin Number "11" at 1605.77,912.99 h15 r180; Top Pin Number "61" at 1519.38,666.82 h15 r90; Top Pin Number "3" at 1603.48,753.23 h15 r180; Top Pin Number "65" at 1430.8,843 h15 r90; Top Pin Number "60" at 1499.7,666.82 h15 r90; Top Pin Number "58" at 1460.33,666.82 h15 r90; Top Pin Number "57" at 1440.64,666.82 h15 r90; Top Pin Number "56" at 1420.96,666.82 h15 r90; Top Pin Number "55" at 1401.27,666.82 h15 r90; Top Pin Number "53" at 1361.9,666.82 h15 r90; Top Pin Number "52" at 1342.22,666.82 h15 r90; Top Pin Number "26" at 1401.27,1019.18 h15 r90; Top Pin Number "23" at 1460.33,1019.18 h15 r90; Top Pin Number "4" at 1603.84,773.27 h15 r180; Top Pin Number "15" at 1608.98,994.95 h15 r180; Top Pin Number "5" at 1603.48,792.6 h15 r180; Top Pin Number "16" at 1608.62,1014.28 h15 r180; Top Pin Number "19" at 1539.07,1019.18 h15 r90; Top Pin Number "21" at 1499.7,1019.18 h15 r90; Top Pin Number "29" at 1342.22,1019.18 h15 r90; Top Pin Number "20" at 1519.38,1019.18 h15 r90; Top Pin Number "28" at 1361.9,1019.18 h15 r90; Top Pin Number "18" at 1558.75,1019.18 h15 r90; Top Pin Number "25" at 1420.96,1019.18 h15 r90; Top Pin Number "24" at 1440.64,1019.18 h15 r90; Top Pin Number "1" at 1600.27,710.64 h15 r180; Top Pin Number "63" at 1558.75,666.82 h15 r90; Top Pin Number "54" at 1381.59,666.82 h15 r90; Top Pin Number "59" at 1480.01,666.82 h15 r90; Top Pin Number "2" at 1603.48,733.55 h15 r180; Top Pin Number "14" at 1609.34,975.62 h15 r180
U720: Top Pin Number "8" at 1588.63,578.33 h10 r270; Top Pin Number "3" at 1558.31,578.33 h10 r270; Top Pin Number "10" at 1588.63,621.37 h10 r270; Top Pin Number "1" at 1558.31,615.56 h10 r270; Top Pin Number "9" at 1588.63,597.78 h10 r270; Top Pin Number "2" at 1558.31,598.02 h10 r270; Top Pin Number "7" at 1588.63,558.65 h10 r270; Top Pin Number "4" at 1558.31,558.89 h10 r270; Top Pin Number "6" at 1588.63,538.72 h10 r270; Top Pin Number "5" at 1558.31,538.96 h10 r270
U721: Top Pin Number "8" at 1376.13,564.17 h10 r180; Top Pin Number "3" at 1376.13,594.49 h10 r180; Top Pin Number "10" at 1419.17,564.17 h10 r180; Top Pin Number "1" at 1413.36,594.49 h10 r180; Top Pin Number "9" at 1395.58,564.17 h10 r180; Top Pin Number "2" at 1395.82,594.49 h10 r180; Top Pin Number "7" at 1356.45,564.17 h10 r180; Top Pin Number "4" at 1356.69,594.49 h10 r180; Top Pin Number "6" at 1336.52,564.17 h10 r180; Top Pin Number "5" at 1336.76,594.49 h10 r180
U722: Bottom Pin Number "2" at 1681.3,91.84 h20 r90; Bottom Pin Number "1" at 1681.3,227.9 h20 r90
U723: Top Pin Number "4" at 2310.48,1952.56 h15 r90; Top Pin Number "1" at 2271.11,1897.44 h15 r90; Top Pin Number "5" at 2290.8,1952.56 h15 r90; Top Pin Number "6" at 2271.11,1952.56 h15 r90; Top Pin Number "2" at 2290.8,1897.44 h15 r90; Top Pin Number "3" at 2310.48,1897.44 h15 r90
U724: Bottom Overlay "1" at 2520.2,2038.1 h10 r180; Bottom Pin Number "5" at 2496.96,2088.43 h8 r90; Bottom Pin Number "3" at 2481.21,2063.31 h8 r90; Bottom Pin Number "4" at 2481.21,2088.43 h8 r90; Bottom Pin Number "1" at 2512.71,2063.81 h8 r90; Bottom Pin Number "2" at 2496.96,2063.31 h8 r90; Bottom Pin Number "6" at 2512.71,2088.43 h8 r90; Bottom Assembly "1" at 2520.31,2038.52 h10 r180
U725: Top Overlay "24" at 2234.8,1464 h15 r180; Top Overlay "1" at 2486.8,1463 h15 r180; Top Pin Number "10" at 2402.11,1657.39 h10 r270; Top Pin Number "5" at 2474.19,1564.84 h10 r180; Top Pin Number "23" at 2265.41,1505.79 h10 r180; Top Pin Number "15" at 2303.69,1657.39 h10 r270; Top Pin Number "22" at 2265.41,1525.47 h10 r180; Top Pin Number "8" at 2474.19,1623.9 h10 r180; Top Pin Number "29" at 2362.44,1457.16 h10 r270; Top Pin Number "30" at 2381.89,1457.4 h10 r270; Top Pin Number "7" at 2474.19,1604.21 h10 r180; Top Pin Number "12" at 2362.74,1657.39 h10 r270; Top Pin Number "24" at 2265.41,1486.1 h10 r180; Top Pin Number "32" at 2421.26,1457.4 h10 r270; Top Pin Number "17" at 2265.41,1623.9 h10 r180; Top Pin Number "16" at 2284.23,1657.15 h10 r270; Top Pin Number "21" at 2265.41,1545.16 h10 r180; Top Pin Number "20" at 2265.41,1564.84 h10 r180; Top Pin Number "1" at 2474.19,1486.1 h10 r180; Top Pin Number "4" at 2474.19,1545.16 h10 r180; Top Pin Number "18" at 2265.41,1604.21 h10 r180; Top Pin Number "14" at 2323.13,1657.63 h10 r270; Top Pin Number "3" at 2474.19,1525.47 h10 r180; Top Pin Number "6" at 2474.19,1584.53 h10 r180; Top Pin Number "19" at 2265.41,1584.53 h10 r180; Top Pin Number "9" at 2422.58,1653.48 h10 r270; Top Pin Number "11" at 2382.46,1655.25 h10 r270; Top Pin Number "13" at 2343.06,1657.39 h10 r270; Top Pin Number "2" at 2474.19,1505.79 h10 r180; Top Pin Number "26" at 2303.39,1457.16 h10 r270; Top Pin Number "33" at 2365.8,1555 h10 r180; Top Pin Number "25" at 2283.46,1457.4 h10 r270; Top Pin Number "28" at 2342.52,1457.4 h10 r270; Top Pin Number "31" at 2401.96,1455.25 h10 r270; Top Pin Number "27" at 2322.83,1457.4 h10 r270; Top Assembly "32" at 2465,1420 h15 r180; Top Assembly "25" at 2245,1420 h15 r180; Top Assembly "24" at 2210,1455 h15 r180; Top Assembly "17" at 2230,1650 h15 r180; Top Assembly "16" at 2270,1680 h15 r180; Top Assembly "9" at 2445,1675 h15 r180; Top Assembly "8" at 2475,1650 h15 r180; Top Assembly "1" at 2480,1465 h15 r180
U726: Top Overlay "1" at 2072.8,1885.14 h30 r180; Top Overlay "9" at 1942.8,1865.14 h30 r180; Top Overlay "7" at 1942.8,1965.14 h30 r180; Top Pin Number "3" at 2048.87,1924.55 h10 r180; Top Pin Number "6" at 1987.02,1957.01 h10 r180; Top Pin Number "9" at 1974.31,1885.17 h10 r180; Top Pin Number "1" at 2051.01,1885.17 h10 r180; Top Pin Number "5" at 2006.47,1957.01 h10 r180; Top Pin Number "4" at 2025.92,1957.01 h10 r180; Top Pin Number "7" at 1974.07,1924.55 h10 r180; Top Pin Number "10" at 2007.8,1851.71 h10 r180; Top Pin Number "2" at 2048.87,1904.86 h10 r180; Top Pin Number "8" at 1974.07,1904.86 h10 r180; Top Pin Number "11" at 2009.94,1904.86 h10 r180; Top Assembly "1" at 2064,1864 h15 r180; Top Assembly "3" at 2068,1945 h15 r180; Top Assembly "9" at 1936,1861 h15 r180; Top Assembly "7" at 1931,1940 h15 r180
U728: Bottom Overlay "1" at 424.54,1990.83 h15 r90; Bottom Overlay "5" at 356.17,1990.83 h15 r90; Bottom Overlay "6" at 324.09,2031.83 h15; Bottom Overlay "7" at 357.33,2097.16 h15 r90; Bottom Pin Number "8" at 371.05,2068.46 h8 r90; Bottom Pin Number "7" at 355.3,2068.46 h8 r90; Bottom Pin Number "9" at 386.8,2068.27 h8 r90; Bottom Pin Number "10" at 402.55,2071.39 h8 r90; Bottom Pin Number "11" at 418.3,2069.68 h8 r90; Bottom Pin Number "12" at 420.09,2036 h8; Bottom Pin Number "6" at 353.59,2036 h8; Bottom Pin Number "1" at 419.87,2015.16 h8 r90; Bottom Pin Number "2" at 402.55,2016.88 h8 r90; Bottom Pin Number "4" at 371.05,2017.07 h8 r90; Bottom Pin Number "3" at 386.8,2016.88 h8 r90; Bottom Pin Number "5" at 355.3,2016.88 h8 r90; Bottom Assembly "1" at 419.87,2015.16 h8 r90; Bottom Assembly "5" at 355.3,2016.88 h8 r90; Bottom Assembly "7" at 355.3,2068.46 h8 r90; Bottom Assembly "6" at 353.59,2036 h8; Bottom Assembly "12" at 420.09,2036 h8; Bottom Assembly "11" at 418.3,2069.68 h8 r90
U729: Bottom Overlay "7" at 912.33,2062.16 h15 r90; Bottom Overlay "6" at 879.09,1996.83 h15; Bottom Overlay "5" at 911.17,1955.83 h15 r90; Bottom Overlay "1" at 979.54,1955.83 h15 r90; Bottom Pin Number "5" at 910.3,1981.88 h8 r90; Bottom Pin Number "3" at 941.8,1981.88 h8 r90; Bottom Pin Number "4" at 926.05,1982.07 h8 r90; Bottom Pin Number "2" at 957.55,1981.88 h8 r90; Bottom Pin Number "1" at 974.87,1980.16 h8 r90; Bottom Pin Number "6" at 908.59,2001 h8; Bottom Pin Number "12" at 975.09,2001 h8; Bottom Pin Number "11" at 973.3,2034.68 h8 r90; Bottom Pin Number "10" at 957.55,2036.39 h8 r90; Bottom Pin Number "9" at 941.8,2033.27 h8 r90; Bottom Pin Number "7" at 910.3,2033.46 h8 r90; Bottom Pin Number "8" at 926.05,2033.46 h8 r90; Bottom Assembly "11" at 973.3,2034.68 h8 r90; Bottom Assembly "12" at 975.09,2001 h8; Bottom Assembly "6" at 908.59,2001 h8; Bottom Assembly "7" at 910.3,2033.46 h8 r90; Bottom Assembly "5" at 910.3,1981.88 h8 r90; Bottom Assembly "1" at 974.87,1980.16 h8 r90
U730: Bottom Pin Number "3" at 1194.86,2412.32 h15; Bottom Pin Number "2" at 1194.86,2432 h15; Bottom Pin Number "6" at 1139.74,2451.69 h15; Bottom Pin Number "5" at 1139.74,2432 h15; Bottom Pin Number "1" at 1194.86,2451.69 h15; Bottom Pin Number "4" at 1139.74,2412.32 h15
U731: Top Overlay "9" at 477.8,1947.12 h30 r90; Top Overlay "1" at 827.8,1957.12 h30 r90; Top Overlay "A" at 887.8,1997.12 h30 r90; Top Pin Number "F1" at 816.03,2218.69 h10 r90; Top Pin Number "G1" at 816.03,2262 h10 r90; Top Pin Number "J2" at 772.72,2348.61 h10 r90; Top Pin Number "J1" at 816.03,2348.61 h10 r90; Top Pin Number "K5" at 642.8,2391.92 h10 r90; Top Pin Number "H2" at 772.72,2305.31 h10 r90; Top Pin Number "H1" at 816.03,2305.31 h10 r90; Top Pin Number "E1" at 816.03,2175.39 h10 r90; Top Pin Number "D1" at 816.03,2132.08 h10 r90; Top Pin Number "C1" at 816.03,2088.77 h10 r90; Top Pin Number "C4" at 686.11,2088.77 h10 r90; Top Pin Number "C5" at 642.8,2088.77 h10 r90; Top Pin Number "D9" at 469.57,2132.08 h10 r90; Top Pin Number "C9" at 469.57,2088.77 h10 r90; Top Pin Number "B9" at 469.57,2045.46 h10 r90; Top Pin Number "H3" at 729.41,2305.31 h10 r90; Top Pin Number "G4" at 664.45,2262 h10 r90; Top Pin Number "F3" at 729.41,2218.69 h10 r90; Top Pin Number "G3" at 729.41,2262 h10 r90; Top Pin Number "C6" at 599.49,2088.77 h10 r90; Top Pin Number "B6" at 599.49,2045.46 h10 r90; Top Pin Number "D3" at 729.41,2132.08 h10 r90; Top Pin Number "E3" at 729.41,2175.39 h10 r90; Top Pin Number "E7" at 556.19,2175.39 h10 r90; Top Pin Number "A2" at 772.72,2002.16 h10 r90; Top Pin Number "B4" at 686.11,2045.46 h10 r90; Top Pin Number "C2" at 772.72,2088.77 h10 r90; Top Pin Number "G2" at 772.72,2262 h10 r90; Top Pin Number "E2" at 772.72,2175.39 h10 r90; Top Pin Number "F2" at 772.72,2218.69 h10 r90; Top Pin Number "F8" at 512.88,2218.69 h10 r90; Top Pin Number "D8" at 512.88,2132.08 h10 r90; Top Pin Number "E9" at 469.57,2175.39 h10 r90; Top Pin Number "F9" at 469.57,2218.69 h10 r90; Top Pin Number "H7" at 556.19,2305.31 h10 r90; Top Pin Number "F7" at 556.19,2218.69 h10 r90; Top Pin Number "A9" at 469.57,2002.16 h10 r90; Top Pin Number "B8" at 512.88,2045.46 h10 r90; Top Pin Number "E4" at 664.45,2175.39 h10 r90; Top Pin Number "E5" at 621.15,2175.39 h10 r90; Top Pin Number "F4" at 664.45,2218.69 h10 r90; Top Pin Number "F5" at 621.15,2218.69 h10 r90; Top Pin Number "A1" at 816.03,2002.16 h10 r90; Top Pin Number "B2" at 772.72,2045.46 h10 r90; Top Pin Number "M9" at 469.57,2510.03 h10 r90; Top Pin Number "M8" at 512.88,2510.03 h10 r90; Top Pin Number "M2" at 772.72,2510.03 h10 r90; Top Pin Number "M1" at 816.03,2510.03 h10 r90; Top Pin Number "L1" at 816.03,2450.98 h10 r90; Top Pin Number "K8" at 512.88,2391.92 h10 r90; Top Pin Number "K7" at 556.19,2391.92 h10 r90; Top Pin Number "K6" at 599.49,2391.92 h10 r90; Top Pin Number "K4" at 686.11,2391.92 h10 r90; Top Pin Number "K3" at 729.41,2391.92 h10 r90; Top Pin Number "K2" at 772.72,2391.92 h10 r90; Top Pin Number "H4" at 664.45,2305.31 h10 r90; Top Pin Number "H5" at 621.15,2305.31 h10 r90; Top Pin Number "B7" at 556.19,2045.46 h10 r90; Top Pin Number "A7" at 556.19,2002.16 h10 r90; Top Pin Number "J4" at 664.45,2348.61 h10 r90; Top Pin Number "J5" at 621.15,2348.61 h10 r90; Top Pin Number "G7" at 556.19,2262 h10 r90; Top Pin Number "G5" at 621.15,2262 h10 r90; Top Pin Number "A8" at 512.88,2002.16 h10 r90; Top Pin Number "A6" at 599.49,2002.16 h10 r90; Top Pin Number "G9" at 469.57,2262 h10 r90; Top Pin Number "H8" at 512.88,2305.31 h10 r90; Top Pin Number "H9" at 469.57,2305.31 h10 r90; Top Pin Number "A4" at 686.11,2002.16 h10 r90; Top Pin Number "E8" at 512.88,2175.39 h10 r90; Top Pin Number "B3" at 729.41,2045.46 h10 r90; Top Pin Number "A3" at 729.41,2002.16 h10 r90; Top Pin Number "B5" at 642.8,2045.46 h10 r90; Top Pin Number "K1" at 816.03,2391.92 h10 r90; Top Pin Number "A5" at 642.8,2002.16 h10 r90; Top Pin Number "K9" at 469.57,2391.92 h10 r90; Top Pin Number "L9" at 469.57,2450.98 h10 r90; Top Pin Number "G8" at 512.88,2262 h10 r90; Top Pin Number "B1" at 816.03,2045.46 h10 r90; Top Pin Number "J7" at 556.19,2348.61 h10 r90; Top Pin Number "J8" at 512.88,2348.61 h10 r90; Top Pin Number "J9" at 469.57,2348.61 h10 r90; Top Pin Number "C8" at 512.88,2088.77 h10 r90; Top Pin Number "D2" at 772.72,2132.08 h10 r90; Top Pin Number "D7" at 556.19,2132.08 h10 r90; Top Pin Number "J3" at 729.41,2348.61 h10 r90
U732: Top Pin Number "B2" at 1577.45,2195.96 h8 r180; Top Pin Number "A2" at 1577.45,2180.22 h8 r180; Top Pin Number "B1" at 1593.19,2195.96 h8 r180; Top Pin Number "A1" at 1593.19,2180.22 h8 r180
U733: Top Overlay "10" at 1910,2060 h30; Top Overlay "6" at 1930,2240 h30; Top Overlay "5" at 2093,2225 h30; Top Pin Number "3" at 2056.25,2170 h10 r180; Top Pin Number "1" at 2054.11,2130.63 h10 r180; Top Pin Number "2" at 2056.25,2150.31 h10 r180; Top Pin Number "5" at 2056.25,2209.37 h10 r180; Top Pin Number "6" at 1945.77,2209.37 h10 r180; Top Pin Number "11" at 2007.51,2175 h20 r180; Top Pin Number "7" at 1946.01,2189.69 h10 r180; Top Pin Number "4" at 2056.49,2189.69 h10 r180; Top Pin Number "8" at 1946.01,2170 h10 r180; Top Pin Number "9" at 1945.77,2150.31 h10 r180; Top Pin Number "10" at 1949.68,2130.63 h10 r180
U734: Top Pin Number "18" at 3247.01,1991.74 h15 r270; Top Pin Number "10" at 3118.3,2039.5 h15; Top Pin Number "24" at 3270.52,2098.68 h15; Top Pin Number "16" at 3207.64,1991.74 h15 r270; Top Pin Number "1" at 3246.01,2141.26 h15 r270; Top Pin Number "17" at 3227.33,1991.74 h15 r270; Top Pin Number "22" at 3270.88,2059.67 h15; Top Pin Number "14" at 3168.27,1991.74 h15 r270; Top Pin Number "23" at 3270.88,2079.36 h15; Top Pin Number "15" at 3187.96,1991.74 h15 r270; Top Pin Number "19" at 3272.42,2002.15 h15; Top Pin Number "11" at 3119.52,2021.5 h15; Top Pin Number "9" at 3123.4,2060.7 h15; Top Pin Number "25" at 3197.8,2069 h15 r270; Top Pin Number "2" at 3226.33,2141.26 h15 r270; Top Pin Number "7" at 3123.04,2099.71 h15; Top Pin Number "8" at 3123.04,2080.03 h15; Top Pin Number "20" at 3270.88,2020.3 h15; Top Pin Number "21" at 3274.1,2043.2 h15; Top Pin Number "12" at 3117.3,2001.5 h15; Top Pin Number "13" at 3148.59,1991.74 h15 r270; Top Pin Number "5" at 3167.27,2141.26 h15 r270; Top Pin Number "6" at 3147.59,2141.26 h15 r270; Top Pin Number "3" at 3206.64,2141.26 h15 r270; Top Pin Number "4" at 3186.96,2141.26 h15 r270